# Altium PCB PATHOS_ControllerBoardExp.PcbDoc (part 4 of 4)
Units mm, origin at the board's own origin, x right, y up, seen from the top; angles counter-clockwise.
Board outline 165 x 96 mm, 4 copper layers (Top Layer, Mid-Layer 1, Mid-Layer 2, Bottom Layer), stack 1.642 mm thick; 300 components, 336 nets, 1573 pads, 768 vias.
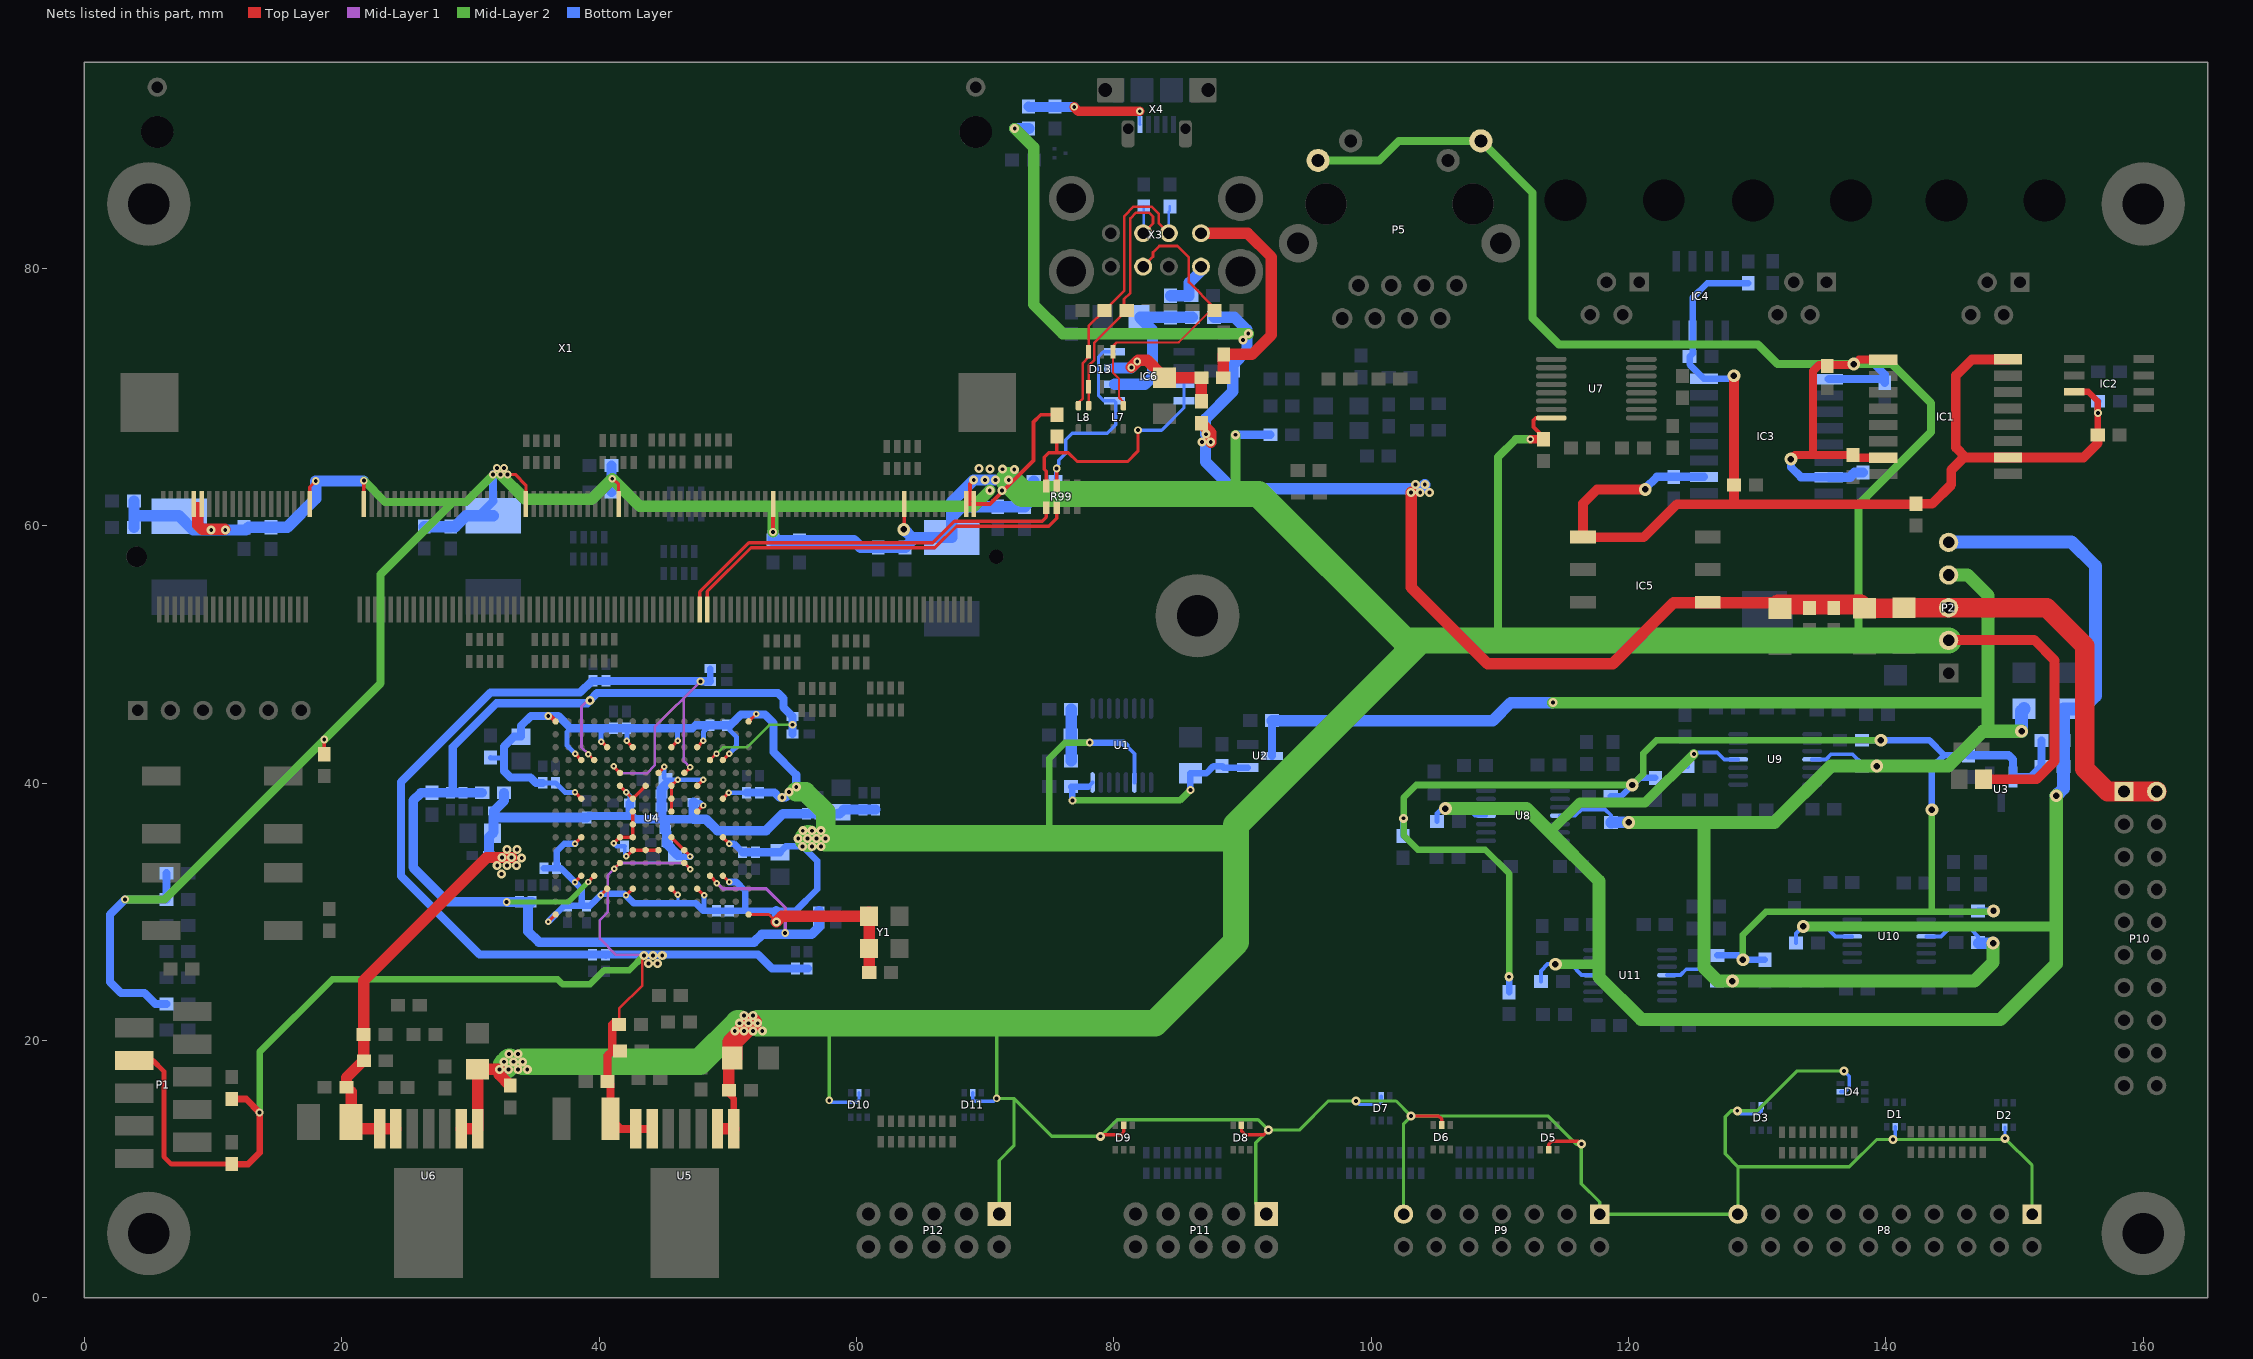
[diagram p6: the nets of this part, all layers, seen from the top]

## Via types
v1: diameter 0.7, hole 0.3, Top Layer to Bottom Layer, 397 vias
v2: diameter 0.6, hole 0.3, Top Layer to Bottom Layer, 248 vias
v3: diameter 0.5, hole 0.2, Top Layer to Bottom Layer, 95 vias
v4: diameter 1, hole 0.5, Top Layer to Bottom Layer, 28 vias

## Nets (pads, with @x,y where several pads share a name; then routed paths per layer and width w, separated by ;. In a path a pad name is that pad's centre, name@x,y a point inside that pad or via, vN(x,y) a via of type N, cw(c..) or ccw(c..) an arc to the next point about the centre after c; other vN are vias at no path point) (continued)
USB_D1_P: D13.4 L7.3 R101.2 X3.U3 | length 23.8
  Top Layer w0.178: L7.3@80.74,69.328 80.74,69.627 80.398,69.97 80.398,71.424 79.942,71.879 79.942,73.968 80.206,74.232 84.994,74.232 85.02,74.258 85.048,74.258 87.524,76.733 R101.2@87.835,76.733
  Top Layer w0.203: X3.U3@82.276,80.13 83.047,80.901 83.047,81.241 83.543,81.737 84.949,81.737 85.827,80.86 85.827,78.918 87.835,76.909 R101.2@87.835,76.733
  Bottom Layer w0.203: X3.U3@82.855,80.04 X3.U3@82.855,80.13
USB_D2_N: D13.6 L8.4 R102.2 R105.2 X3.L2 | length 23.5
  Top Layer w0.203: L8.4@77.248,69.328 77.248,69.559 77.587,69.898 77.587,72.635 78.044,73.092 D13.6@78.044,73.511 78.044,75.506 R102.2@79.272,76.733 80.823,78.285 80.823,84.06 81.548,84.785 82.932,84.785 83.504,84.213 83.504,83.501 X3.L2@84.276,82.73
  Bottom Layer w0.203: X3.L2@84.123,82.73 X3.L2@84.276,82.73 84.276,84.403 84.353,84.48 R105.2@84.353,84.811
USB_D2_P: D13.1 L8.3 R103.2 R104.2 X3.L3 | length 22.1
  Top Layer w0.203: L8.3@78.048,69.328 78.048,70.808 D13.1@78.044,70.811 78.044,72.445 78.485,72.886 78.485,74.216 R103.2@81.002,76.733 80.79,76.945 80.79,77.606 81.28,78.095 81.28,83.871 81.737,84.328 82.742,84.328 83.047,84.023 83.047,83.501 X3.L3@82.276,82.73
  Bottom Layer w0.203: R104.2@82.321,84.811 82.321,82.776 X3.L3@82.276,82.73 X3.L3@82.501,82.73
USB_OC#: IC6.5 IC6.8 R94.1 R99.2B | length 17
  Top Layer w0.254: R99.2B@75.554,63.095 v2(75.554,64.443)
  Bottom Layer w0.254: R94.1@75.476,63.439 75.476,64.517 75.727,64.767 75.727,65.084 76.269,65.626 76.269,66.686 76.767,67.184 79.506,67.184 80.157,67.835 80.157,69.607 IC6.5@80.052,69.712 79.212,69.712 78.804,70.12 78.804,70.42 78.809,70.425 78.809,73.142 79.19,73.522 IC6.8@80.052,73.522
USB_OC_S#: R99.1B X1.131 | length 31.7
  Top Layer w0.254: X1.131@48.414,53.482 48.414,54.891 51.803,58.28 66.095,58.28 67.773,59.958 74.934,59.958 75.554,60.578 R99.1B@75.554,61.395
USB_P_EN#: IC6.3 IC6.4 R93.1 R99.2A | length 19.4
  Top Layer w0.254: R99.2A@74.754,63.095 74.754,64.225 74.594,64.385 74.594,65.33 74.926,65.662 75.547,65.662 ; R93.1@75.57,66.92 75.57,65.685 75.547,65.662 ; v2(81.874,67.422) 81.874,65.772 81.09,64.987 77.145,64.987 76.47,65.662 75.547,65.662
  Bottom Layer w0.254: v2(81.874,67.422) 83.71,67.422 85.452,69.164 IC6.4@85.452,69.712 IC6.3@85.452,70.982
USB_P_EN_S: R99.1A X1.129 | length 31.4
  Top Layer w0.254: X1.129@47.814,53.482 47.814,54.85 51.371,58.407 51.374,58.407 51.64,58.674 65.932,58.674 67.609,60.351 74.436,60.351 74.754,60.669 R99.1A@74.754,61.395
V1.2: C11.2 C12.2 C13.2 C14.2 C15.2 C16.2 C17.2 C18.2 C19.2 C20.2 C21.2 C22.2 C23.2 C24.2 C25.2 C26.2 C27.2 C28.2 C77.1 C81.1 C82.2 L1.1 R18.2 U4.F7 U4.F11 U4.G6 U4.G7 U4.G8 U4.G9 U4.G10 U4.H6 U4.H11 U4.J6 U4.J12 U4.K7 U4.K9 U4.K10 U4.K11 U4.L6 U4.M9 U4.M11 U6.6 U6.7 | length 102.3
  Top Layer w0.254: C82.2@20.369,16.358 C82.2@20.725,16.001 ; C81.1@20.725,13.665 C81.1@21.269,13.122 ; v3(41.148,35.306) 41.148,35.315 U4.F7@41.62,35.787 U4.G7@42.62,35.787 U4.G8@42.62,36.787 U4.G9@42.62,37.787 ; U4.F11@41.62,39.787 v3(42.113,39.294) U4.G10@42.62,38.787 U4.H11@43.62,39.787 ; v3(42.113,34.315) 42.148,34.315 U4.G6@42.62,34.787 U4.H6@43.62,34.787 U4.J6@44.62,34.787 ; U4.J12@44.62,40.787 45.06,41.227 v3(45.06,41.25) ; U4.K7@45.62,35.787 U4.L6@46.62,34.787 47.117,34.29 v3(47.066,34.29) ; U4.K9@45.62,37.787 U4.K10@45.62,38.787 U4.K11@45.62,39.787 46.092,40.259 v3(46.101,40.259) ; U4.M9@47.62,37.787 48.108,38.275 v3(48.108,38.252) ; U4.M11@47.62,39.787 48.092,40.259 v3(48.108,40.259)
  Top Layer w0.889: C82.2@20.369,16.358 20.369,17.114 21.693,18.439 R18.2@21.693,20.472 21.693,24.64 31.267,34.214 v1(33.198,34.214) ; C81.1@20.725,13.665 C82.2@20.725,16.001 ; C81.1@21.269,13.122 U6.7@22.936,13.122 U6.6@24.206,13.122
  Bottom Layer w0.254: C21.2@41.986,35.088 41.986,34.442 v3(42.113,34.315) ; C19.2@45.06,40.384 C19.2@45.159,40.284 ; C19.2@45.159,39.851 C19.2@45.159,40.284 ; C19.2@45.185,40.259 C19.2@45.159,40.284 ; C20.2@46.023,34.495 46.023,34.163 C20.2@46.15,34.29
  Bottom Layer w0.381: v3(41.148,35.306) 41.366,35.088 C21.2@41.986,35.088 ; v3(42.113,39.294) 42.382,39.025 C26.2@42.382,38.456 ; 42.382,37.628 42.57,37.44 ; C19.2@45.06,40.384 v3(45.06,41.25) ; C19.2@45.185,40.259 v3(46.101,40.259) v3(48.108,40.259) ; 47.32,37.186 47.335,37.201 ; C27.2@47.335,38.506 47.854,38.506 v3(48.108,38.252)
  Bottom Layer w0.508: C20.2@46.15,34.29 v3(47.066,34.29)
  Bottom Layer w0.635: C25.2@39.04,37.323 39.156,37.44 42.57,37.44 42.824,37.186 45.034,37.186 47.32,37.186 47.346,37.186 ; 42.382,37.628 C26.2@42.382,38.456
  Bottom Layer w0.762: C13.2@31.435,34.366 31.435,35.809 C11.2@31.72,36.093 C11.2@31.77,36.144 ; C11.2@31.77,36.093 C11.2@31.77,36.144 ; L1.1@32.614,39.243 32.614,38.618 C24.2@31.816,37.821 31.816,37.323 ; C25.2@39.04,37.323 31.816,37.323 ; C19.2@45.159,39.851 44.846,39.537 C28.2@44.846,39.141 C15.2@44.846,38.151 44.846,37.374 45.034,37.186 45.125,37.094 45.125,36.297 45.263,36.159 45.263,35.255 C20.2@46.023,34.495 ; 47.335,37.201 C27.2@47.335,38.506 ; 47.346,37.186 48.313,37.186 49.202,36.297 52.959,36.297 54.28,37.617 58.694,37.617 C12.2@58.801,37.724 59.01,37.933 C14.2@60.503,37.933 C23.2@61.493,37.933 ; C11.2@31.77,36.144 31.77,37.313 31.781,37.323 31.816,37.323 ; C11.2@31.77,36.144 31.816,36.19 31.816,37.323
  other v1: 32.41,32.918 32.08,33.579 32.842,33.579 33.579,33.579 33.985,34.188 32.461,34.214 33.63,34.823 32.842,34.849
V1.2_PLL: C51.2 C52.2 C53.2 C54.2 C55.2 C56.2 C57.2 C58.2 C59.2 L1.2 U4.D4 U4.D13 U4.N4 U4.N13 | length 114.7
  Top Layer w0.203: v3(39.167,42.24) U4.D13@39.62,41.787 ; U4.N13@48.62,41.787 49.098,42.266 v3(49.124,42.266)
  Top Layer w0.254: v3(39.167,32.309) 39.167,32.334 U4.D4@39.62,32.787 ; U4.N4@48.62,32.787 49.151,32.256 49.145,32.25 v3(49.145,32.217)
  Mid-Layer 1 w0.203: v3(39.167,42.24) 38.633,42.774 38.633,45.949 39.091,46.406 v1(39.294,46.406)
  Mid-Layer 1 w0.254: v3(49.145,32.217) 49.165,32.217 49.598,31.784 53.001,31.784 54.458,30.328 v2(54.458,28.346)
  Mid-Layer 2 w0.203: v3(49.124,42.266) 49.632,42.774 51.486,42.774 53.238,44.526 v2(55.027,44.526)
  Mid-Layer 2 w0.381: v2(32.817,30.759) 37.617,30.759 v3(39.167,32.309)
  Bottom Layer w0.203: C51.2@27,39.241 C51.2@27.002,39.243
  Bottom Layer w0.508: C53.2@33.807,30.77 C57.2@34.798,30.77
  Bottom Layer w0.635: C52.2@29.439,39.233 28.814,39.233 28.626,39.421 28.626,42.799 32.025,46.199 39.087,46.199 39.349,46.461 39.349,46.491 39.849,46.99 53.908,46.99 54.327,46.572 54.327,45.887 C58.2@55.027,45.187 v2(55.027,44.526) C54.2@55.027,43.815
  Bottom Layer w0.762: C51.2@27,39.241 26.16,39.241 25.552,38.633 25.552,33.452 28.234,30.77 C53.2@33.807,30.77 ; C51.2@27.002,39.243 L1.2@30.914,39.243 ; v2(32.817,30.759) 34.788,30.759 C57.2@34.798,30.77 34.475,30.446 34.475,28.474 35.313,27.635 52.033,27.635 52.643,28.245 56.515,28.245 57.084,28.814 C55.2@57.084,30.073
V2.5: C47.2 C48.2 C49.2 C50.2 C60.2 C61.2 C62.2 C63.2 C71.1 C75.1 C76.2 P1.4 R9.2 R10.2 R14.2 U4.F5 U4.F12 U4.L5 U4.L12 U5.6 U5.7 | length 185.3
  Top Layer w0.203: v3(41.173,33.325) 41.173,33.341 U4.F5@41.62,33.787 ; R14.2@41.326,21.459 R14.2@41.557,21.228 41.557,22.482 43.358,24.282 43.358,26.467 v1(43.485,26.594) ; U4.L5@46.62,33.787 47.092,33.315 v3(47.092,33.299)
  Top Layer w0.254: v3(41.148,41.3) 41.148,41.259 41.224,41.183 U4.F12@41.62,40.787 ; U4.L12@46.62,40.787 46.655,40.787 47.066,41.199 v3(47.066,41.224)
  Top Layer w0.381: P1.4@3.882,18.44 5.334,18.44 6.172,17.602 6.172,10.973 6.755,10.39 R10.2@11.455,10.39
  Top Layer w0.508: R10.2@11.455,10.39 12.727,10.39 13.614,11.278 v2(13.614,14.402) 12.571,15.445 R9.2@11.455,15.445
  Top Layer w0.635: R14.2@41.226,21.438 41.021,21.233 41.021,19.177 40.664,18.82 C76.2@40.664,16.815 40.889,16.589 C75.1@40.889,13.894 41.661,13.122 U5.7@42.85,13.122 U5.6@44.12,13.122
  Mid-Layer 1 w0.203: v3(41.148,41.3) 41.123,41.3 41.665,40.758 43.705,40.758 44.323,41.377 44.323,44.348 v2(47.879,47.904) ; v1(43.485,26.594) 43.434,26.645 41.326,26.645 40.058,27.913 40.058,29.345 40.657,29.944 40.657,32.808 v3(41.173,33.325) 41.639,33.791 46.6,33.791 v3(47.092,33.299) ; 46.592,46.609 46.592,41.698 v3(47.066,41.224)
  Mid-Layer 2 w0.508: v2(13.614,14.402) 13.614,19.101 19.253,24.74 36.779,24.74 37.16,24.359 39.294,24.359 40.386,25.451 42.342,25.451 v1(43.485,26.594)
  Bottom Layer w0.508: C62.2@48.626,47.904 C49.2@48.626,48.894
  Bottom Layer w0.635: C60.2@40.512,26.66 C60.2@40.523,26.67 ; C62.2@48.626,47.904 48.006,47.904 47.97,47.94 C48.2@40.538,47.94 C61.2@39.523,47.94 39.431,47.94 38.515,47.024 31.551,47.024 24.613,40.085 24.613,32.766 30.709,26.67 C60.2@40.523,26.67 ; C63.2@56.236,25.588 C50.2@55.27,25.588 53.431,25.588 52.349,26.67 C60.2@40.523,26.67
  other v1: 43.84,25.984 44.552,25.984 44.196,26.594 44.907,26.594
V2.5_REF: C4.1 C6.1 C7.1 U1.8 U2.1 | length 18.4
  Mid-Layer 2 w0.508: v2(76.782,38.652) 85.139,38.652 v2(85.952,39.465)
  Bottom Layer w0.305: 78.017,39.719 U1.8@78.343,40.044
  Bottom Layer w0.508: v2(76.782,38.652) 76.782,39.617 C4.1@76.681,39.719 78.017,39.719 ; v2(85.952,39.465) C7.1@85.952,40.76 87.196,40.76 87.755,41.319 C6.1@88.416,41.319 88.528,41.206 U2.1@90.412,41.206
V3.3: C1.1 C2.1 C3.1 C10.2 C29.2 C30.2 C31.2 C32.2 C33.2 C34.2 C35.2 C36.2 C37.2 C38.2 C39.2 C40.2 C41.2 C42.2 C43.2 C44.2 C45.2 C46.2 C68.1 C72.2 C73.2 C78.2 C79.2 C85.2 C88.2 C96.1 C97.1 C98.1 C99.2 C100.2 C101.2 C102.2 C103.2 C104.2 C105.2 C106.2 C107.2 C108.2 C109.2 C110.2 C111.2 C112.2 C114.2 D1.5 D2.5 D3.5 D4.5 D5.5 D6.5 D7.5 D8.5 D9.5 D10.5 D11.5 IC1.1 IC1.7 IC3.1 IC3.7 L3.1 LED1.2 P2.2 P5.9 P5.12 P8.1 P8.19 P9.1 P9.13 P11.1 P12.1 R2.2 R3.2 R4.2 R21.2 R22.2 R27.2 R30.2 R93.2 R94.2 U1.3 U4.A1 U4.A16 U4.C4 U4.C7 U4.C10 U4.C13 U4.E3 U4.E14 U4.G3 U4.G14 U4.K3 U4.K14 U4.M3 U4.M14 U4.P4 U4.P7 U4.P10 U4.P13 U4.T1 U4.T16 U5.1 U5.2 U6.1 U6.2 U7.16 X1.10 X1.12 X1.40 X1.42 X1.84 X1.108 X1.148 X1.182 X1.198 X1.200 Y1.1 Y1.4 | length 933.8
  Top Layer w0.203: U4.T1@51.62,29.787 53.195,29.787 v1(53.772,29.21)
  Top Layer w0.254: X1.40@17.514,61.682 17.514,63.006 v2(17.983,63.475) ; R21.2@18.644,42.238 v2(18.644,43.383) ; X1.42@21.714,61.682 21.714,63.497 v2(21.717,63.5) ; v2(31.75,63.983) v2(32.334,63.983) v2(32.893,63.983) 33.477,63.983 34.314,63.146 X1.84@34.314,61.682 ; v3@36.055,29.223 U4.A1@36.62,29.787 ; v3@38.1,35.267 U4.C7@38.62,35.787 ; v3(38.125,39.268) 38.139,39.268 U4.C10@38.62,38.787 ; v3(38.151,42.266) 38.141,42.266 U4.C13@38.62,41.787 ; v3@38.191,32.358 U4.C4@38.62,32.787 ; v3@40.125,31.293 U4.E3@40.62,31.787 ; v3@40.132,43.275 U4.E14@40.62,42.787 ; v2(41.021,63.652) 41.072,63.652 41.514,63.21 X1.108@41.514,61.682 ; v3(42.088,31.267) 42.1,31.267 U4.G3@42.62,31.787 ; v3@42.164,43.243 U4.G14@42.62,42.787 ; U4.K3@45.62,31.787 46.089,31.318 v3(46.126,31.318) ; U4.K14@45.62,42.787 v3@46.114,43.282 ; U4.M3@47.62,31.787 48.14,31.267 v3(48.158,31.267) ; U4.M14@47.62,42.787 v3@48.108,43.275 ; U4.P4@49.62,32.787 50.098,32.309 v3(50.114,32.309) ; U4.P7@49.62,35.787 v3@50.114,35.293 ; U4.P10@49.62,38.787 50.089,39.256 v3(50.089,39.243) ; U4.P13@49.62,41.787 v3(50.114,42.282) ; C73.2@50.091,15.85 C73.2@50.091,16.129 ; C72.2@50.091,18.372 C72.2@50.362,18.644 ; U4.T16@51.62,44.787 v3(52.197,45.364) ; v1(78.969,12.548) 79.096,12.675 80.569,12.675 80.772,12.878 D9.5@80.772,13.396 ; D8.5@89.916,13.396 89.916,12.979 90.233,12.662 91.656,12.662 v1(92.024,13.03) ; v1(103.099,14.122) 105.258,14.122 105.486,13.894 D6.5@105.486,13.421 ; D5.5@113.792,11.496 113.792,11.913 114.046,12.167 116.103,12.167 v1(116.332,11.938)
  Top Layer w0.305: X1.10@8.514,61.682 8.814,61.382 ; v2(53.515,59.515) X1.148@53.514,61.682 ; v4@63.714,59.752 X1.182@63.714,61.682 ; v1(69.113,63.551) 68.809,63.246 68.809,61.976 X1.198@68.514,61.682 X1.200@69.114,61.682 70.375,61.682 73.754,65.06 73.754,68.05 74.323,68.62 R93.2@75.57,68.62 ; C114.2@113.404,66.714 113.404,66.894 112.616,67.682 112.616,68.184 112.81,68.378 U7.16@113.994,68.378
  Top Layer w0.381: v2(36.043,45.212) 36.195,45.212 U4.A16@36.62,44.787
  Top Layer w0.508: C73.2@50.091,15.85 50.47,15.47 U5.1@50.47,13.122
  Top Layer w0.635: v2(112.37,66.714) C114.2@113.404,66.714 ; v4(132.613,65.176) 132.933,65.496 134.344,65.496 ; v4@137.494,72.483 134.804,72.483 134.344,72.022 134.344,65.496 ; 137.915,72.904 IC1.1@139.785,72.904 ; IC1.7@139.785,65.284 137.668,65.284 C85.2@137.456,65.496 134.344,65.496
  Top Layer w0.762: P2.2@144.873,51.085 144.909,51.12 151.531,51.12 153.112,49.539 153.112,41.693 151.708,40.289 LED1.2@147.59,40.289
  Top Layer w0.889: 8.814,61.382 8.814,60.046 9.144,59.715 v1@10.897,59.715 ; U6.2@29.286,13.122 U6.1@30.556,13.122 C78.2@30.556,17.749 v1@32.239,17.749 ; 32.239,17.34 C79.2@33.096,16.483 ; U5.2@49.2,13.122 U5.1@50.47,13.122 ; C73.2@50.091,16.129 C72.2@50.091,18.372 ; v1(53.772,29.21) 54.2,29.638 Y1.4@60.96,29.638 ; C10.2@60.987,25.629 Y1.4@60.987,29.956
  Top Layer w1.524: C72.2@50.362,18.644 50.362,19.864 v1@51.885,21.387
  Mid-Layer 2 w0.254: v2(57.887,15.342) 57.887,21.158 ; 71.018,21.336 70.891,21.209 v2(70.891,15.494) 72.238,15.494 ; P12.1@71.095,6.5 71.095,10.668 72.238,11.811 72.238,15.494 ; P11.1@91.846,6.5 91.034,7.313 91.034,12.04 v1(92.024,13.03) ; P9.13@102.514,6.5 102.514,13.538 v1(103.099,14.122) ; v1(136.754,17.628) 133.096,17.628 129.997,14.529 v1(128.448,14.529) 127.965,14.529 127.508,14.072 127.508,11.176 128.499,10.185 ; P8.1@151.359,6.5 151.359,10.287 v1(149.25,12.395) 149.149,12.294 v1(140.538,12.294) 139.268,12.294 137.16,10.185 128.499,10.185 ; 72.238,15.494 75.184,12.548 v1(78.969,12.548) 80.264,13.843 91.211,13.843 v1(92.024,13.03) ; v1(92.024,13.03) 94.412,13.03 96.672,15.291 v1(98.831,15.291) 101.93,15.291 v1(103.099,14.122) ; v1(103.099,14.122) 113.767,14.122 115.951,11.938 v1(116.332,11.938) 116.332,8.865 117.754,7.442 P9.1@117.754,6.5 P8.19@128.499,6.5 128.499,10.185
  Mid-Layer 2 w0.508: 74.981,35.738 74.981,41.91 76.218,43.148 v2(78.129,43.148)
  Mid-Layer 2 w0.635: v2(3.15,30.963) 6.223,30.963 v2(18.644,43.383) 23.012,47.752 23.012,56.21 28.651,61.849 ; v2(21.717,63.5) 23.368,61.849 28.651,61.849 ; v2(31.75,63.983) 31.75,63.932 29.667,61.849 28.651,61.849 ; P5.12@95.869,88.382 100.624,88.382 102.144,89.902 P5.9@108.519,89.902 112.547,85.874 112.547,76.124 114.579,74.092 130.048,74.092 131.583,72.557 v4(137.496,72.557) 140.473,72.557 143.51,69.52 143.51,67.285 137.871,61.646 137.871,51.339 ; 109.855,51.136 109.855,65.329 111.24,66.714 v2(112.37,66.714)
  Mid-Layer 2 w0.762: 89.45,62.459 v1(89.45,67.065)
  Mid-Layer 2 w0.889: v2(32.334,63.983) 34.265,62.052 39.421,62.052 v2(41.021,63.652) 43.155,61.519 69.139,61.519 v1(70.358,62.738) ; v2(53.515,59.515) 53.515,61.519
  Mid-Layer 2 w1.524: 55.321,39.319 56.058,39.319 57.607,37.77 v1(57.607,35.687)
  Mid-Layer 2 w2.032: v1@32.715,18.009 v1@33.045,18.339 ; v1(34.061,18.339) 47.803,18.339 50.8,21.336 v1(50.902,21.336) ; v1(52.324,21.336) 71.018,21.336 83.196,21.336 89.504,27.644 89.504,36.748 103.841,51.085 102.61,51.085 91.237,62.459 89.45,62.459 ; v1@56.216,35.656 v1@56.272,35.712 ; v1@57.607,35.712 89.484,35.712 ; v1(71.831,63.551) 72.923,62.459 89.281,62.459 ; 103.892,51.085 P2.2@144.873,51.085
  Bottom Layer w0.254: C108.2@28.47,59.931 C108.2@28.816,59.931 ; C32.2@42.113,44.257 C32.2@42.164,44.206 ; 46.126,30.672 v3(46.126,31.318) ; 48.108,30.063 48.133,30.089 ; C35.2@51.156,34.61 C35.2@51.161,34.615 ; C42.2@51.451,39.243 C42.2@51.461,39.253 ; v2(57.887,15.342) 58.039,15.189 59.969,15.189 60.198,15.418 D10.5@60.198,15.936 ; D11.5@69.037,15.936 69.037,15.443 69.215,15.265 70.663,15.265 v2(70.891,15.494) ; v1(98.831,15.291) 99.111,15.011 100.609,15.011 100.787,15.189 D7.5@100.787,15.682 ; v1(128.448,14.529) 128.687,14.29 130.139,14.29 130.302,14.453 D3.5@130.302,14.92 ; D4.5@136.464,16.002 136.83,16.002 137.16,16.332 137.16,17.221 v1(136.754,17.628) ; v1(140.538,12.294) 140.716,12.471 D1.5@140.716,13.299 ; v1(149.25,12.395) D2.5@149.25,13.249
  Bottom Layer w0.305: 80.948,42.919 81.593,42.274 U1.3@81.593,40.044
  Bottom Layer w0.381: R22.2@31.547,41.988 31.574,41.961 32.614,41.961 ; C39.2@35.621,40.015 C31.2@36.61,40.015 37.357,39.268 v3(38.125,39.268) ; 37.785,44.257 37.516,43.988 37.516,42.901 v3(38.151,42.266) ; 40.107,44.257 40.31,44.054 40.157,43.902 v3(40.157,43.205) ; v3(42.164,43.282) 42.164,44.003 42.266,44.105 C32.2@42.164,44.206 ; v3(46.101,43.282) 46.101,44.232 46.126,44.257 ; v3(48.098,43.275) 48.098,43.968 C41.2@48.616,44.486 ; 48.133,30.089 48.158,30.114 v3(48.158,31.267) ; v3(50.089,39.243) C42.2@51.451,39.243 ; v3(50.114,42.282) 50.669,42.836 50.669,43.59 50.165,44.094 C33.2@50.165,44.486
  Bottom Layer w0.508: C38.2@35.712,33.391 C46.2@36.703,33.391 ; v3(36.043,29.235) 36.062,29.235 37.297,30.47 38.659,30.47 ; v3(38.125,35.281) 37.287,35.281 36.703,34.696 C46.2@36.703,33.391 ; C45.2@39.034,30.457 39.296,30.457 v3(40.132,31.293) 40.225,31.385 41.97,31.385 v3(42.088,31.267) 42.709,30.646 47.525,30.646 48.108,30.063 C36.2@49.124,30.063 C44.2@50.113,30.063 51.359,30.063 ; C45.2@39.034,30.47 38.659,30.47 ; v3(50.109,35.293) 50.473,35.293 C35.2@51.156,34.61 ; v3(50.114,32.309) 50.673,32.309 51.359,31.623 51.359,30.063 ; C29.2@54.051,34.615 54.51,35.074 v1(55.818,35.074) 56.947,33.946 56.947,31.75 55.26,30.063 53.772,30.063 51.359,30.063 ; 76.681,43.122 78.103,43.122 v2(78.129,43.148) 80.719,43.148 80.948,42.919 ; C46.2@36.703,33.391 37.018,33.391 v3(38.125,32.283) 38.659,31.75 38.659,30.47
  Bottom Layer w0.635: R3.2@6.377,22.835 5.512,22.835 4.674,23.673 2.845,23.673 1.981,24.536 1.981,29.794 v2(3.15,30.963) R4.2@6.377,30.963 R2.2@6.377,32.995 ; C97.1@30.757,60.873 31.801,61.917 31.75,61.968 v2(31.75,63.983) ; C39.2@35.621,40.015 35.092,40.015 34.671,40.437 33.098,40.437 32.614,40.921 32.614,41.961 32.614,42.85 33.371,43.607 C30.2@33.934,43.607 33.934,44.45 34.696,45.212 v2(36.043,45.212) 36.83,45.212 37.785,44.257 40.107,44.257 C40.2@41.123,44.257 C32.2@42.113,44.257 46.126,44.257 47.254,44.257 47.483,44.486 C41.2@48.616,44.486 50.165,44.486 51.018,45.339 52.883,45.339 53.543,44.679 53.543,42.418 55.321,40.64 v1(55.321,39.7) 54.508,38.887 v1(54.229,38.887) 54,38.887 53.634,39.253 C34.2@52.451,39.253 C42.2@51.461,39.253 ; C35.2@51.161,34.615 C29.2@54.051,34.615 ; v1(89.45,67.065) L3.1@92.17,67.065 ; v4(132.613,65.176) 132.613,64.541 133.385,63.77 IC3.7@135.563,63.77 ; IC3.1@135.563,71.39 139.629,71.39 R30.2@139.909,71.11 139.909,71.743 139.094,72.557 v4(137.496,72.557)
  Bottom Layer w0.762: C102.2@40.966,62.626 C109.2@40.966,64.683 ; v1(53.772,29.21) 53.772,30.063 ; IC3.7@135.563,63.77 137.197,63.77 137.552,64.125 C88.2@138.229,64.125
  Bottom Layer w0.889: C106.2@3.857,59.857 3.857,60.757 ; C99.2@3.857,61.914 3.857,60.757 ; v2@21.692,63.475 v2(17.983,63.475) 17.983,62.103 15.761,59.881 12.773,59.881 12.557,59.665 v1(10.947,59.665) 8.445,59.665 C96.1@7.364,60.746 7.353,60.757 3.857,60.757 ; C101.2@26.414,59.931 C108.2@28.47,59.931 ; C108.2@28.816,59.931 29.656,60.771 C97.1@31.773,60.771 ; v2(53.515,59.515) C110.2@53.515,58.839 C103.2@55.573,58.839 59.804,58.839 60.338,58.306 C104.2@61.693,58.306 C111.2@63.777,58.306 64.552,59.08 ; v4(63.678,59.715) 64.313,59.08 64.552,59.08 ; 67.562,60.856 68.173,61.467 C105.2@70.979,61.467 C112.2@73.063,61.467 73.776,62.181 R94.2@73.776,63.439 ; v1(70.815,63.551) v1(70.002,63.551) v1(69.113,63.551) 67.412,61.849 C98.1@67.412,59.08 64.552,59.08 ; C2.1@76.681,41.725 76.681,43.122 C3.1@76.681,45.738
  Bottom Layer w1.524: C68.1@140.742,51.181 P2.2@144.778,51.181
  other v1: 32.258,17.729 32.969,17.729 33.706,17.729 34.417,17.729 32.614,18.339 33.35,18.339 32.995,18.948 33.706,18.948 50.546,20.726 51.257,20.726 51.968,20.726 52.68,20.726 51.613,21.336 51.257,21.946 51.968,21.946 56.54,35.077 57.252,35.077 55.474,35.687 56.185,35.687 56.896,35.687 55.829,36.297 56.54,36.297 57.252,36.297 54.762,39.294 9.855,59.665 71.298,62.738 72.263,64.364 71.349,64.389 70.383,64.414 69.52,64.44
  other v2: 32.055,64.491 32.614,64.491
V5.0: C64.1 C65.2 C66.2 C67.2 C89.2 IC5.3 P2.3 P10.1 P10.2 R92.2 R95.2 R96.2 R106.2 | length 147.9
  Top Layer w0.889: R95.2@86.789,67.952 87.528,67.213 v1(87.528,66.497) ; v1(103.099,62.586) 103.099,55.22 109.042,49.276 118.77,49.276 123.517,54.022 C89.2@131.469,54.022
  Top Layer w1.524: C89.2@131.617,53.874 138.037,53.874 C65.2@138.325,53.586 138.335,53.596 C64.1@141.404,53.596 ; C64.1@141.404,53.633 152.488,53.633 155.448,50.673 155.448,41.123 157.226,39.345 P10.1@158.5,39.345 P10.2@161.04,39.345
  Mid-Layer 2 w0.889: v1(72.298,90.865) 73.762,89.401 73.762,77.191 76.022,74.93 v1(90.449,74.93)
  Bottom Layer w0.889: v1(72.298,90.865) R106.2@73.379,90.865 ; v1@87.122,66.497 87.122,64.973 89.23,62.865 103.835,62.865 v1(104.165,63.195) ; v1@87.122,67.107 87.122,68.301 89.248,70.426 R92.2@89.248,72.032 89.248,72.509 90.348,73.609 90.348,75.209 89.369,76.188 R96.2@87.796,76.188
  other v1: 103.81,62.586 104.521,62.586 103.454,63.195 86.843,66.497 87.173,67.107 90.043,74.422
V12.0: C5.2 C69.2 C118.2 C119.2 C122.2 C123.2 P2.4 U2.3 U8.4 U9.4 U10.4 U11.4 | length 168.9
  Mid-Layer 2 w0.889: v1(114.122,46.253) 147.736,46.253 147.914,46.076
  Mid-Layer 2 w1.016: v4(120.018,36.939) 125.857,36.939 ; 141.92,41.323 144.847,41.323 147.547,44.023 v4(150.541,44.023) ; 142.002,41.319 v4(139.289,41.319) 135.722,41.319 131.341,36.939 125.857,36.939 ; P2.4@144.873,56.165 146.349,56.165 147.939,54.575 147.939,44.184 ; v4(148.329,27.565) 148.329,26.072 146.865,24.608 v4(128.074,24.608) 126.928,24.608 125.857,25.679 125.857,36.939
  Bottom Layer w0.305: U8.4@114.674,37.461 115.855,37.461 116.35,37.956 118.176,37.956 118.633,37.499 C118.2@118.633,36.935 C118.2@118.65,36.918 ; U11.4@122.998,25.075 124.026,25.075 124.483,25.532 126.468,25.532 126.877,25.123 C123.2@126.877,24.596 C123.2@126.889,24.608 ; U9.4@134.268,41.836 135.343,41.836 135.745,42.238 137.413,42.238 138.142,41.509 C119.2@138.142,41.305 ; U10.4@143.135,28.079 144.282,28.079 144.858,28.655 146.594,28.655 147.168,28.08 C122.2@147.168,27.607 C122.2@147.21,27.565
  Bottom Layer w0.635: U2.3@92.3,42.118 C5.2@92.3,44.849
  Bottom Layer w0.762: C119.2@138.157,41.319 v4(139.289,41.319)
  Bottom Layer w0.889: C5.2@92.3,44.849 109.442,44.849 110.846,46.253 v1(114.122,46.253) ; C118.2@118.65,36.918 118.671,36.939 v4(120.018,36.939) ; C123.2@126.889,24.608 v4(128.074,24.608) ; C122.2@147.21,27.565 v4(148.329,27.565)
  Bottom Layer w1.016: v4(150.541,44.023) 150.541,45.579 C69.2@150.736,45.775
V-1.25_REF: C8.1 C9.2 R1.2 R58.1 R59.1 R68.1 R69.1 R78.1 R79.1 R88.1 R89.1 U3.2 | length 125.1
  Mid-Layer 2 w0.508: v1(110.722,24.946) 110.722,32.966 108.864,34.823 103.632,34.823 102.514,35.941 v1(102.514,37.262) 102.514,38.862 103.501,39.849 v4(120.286,39.849) 121.154,40.717 121.154,42.312 122.163,43.321 v4(139.613,43.321) ; v4(128.881,26.271) 128.881,28.201 130.674,29.994 148.291,29.994 v4(148.361,30.064) ; 143.577,30.008 v4(143.577,37.922)
  Bottom Layer w0.508: R68.1@102.481,35.894 102.481,37.229 v1(102.514,37.262) ; R89.1@110.722,23.748 v1(110.722,24.946) ; R58.1@118.619,38.978 119.439,38.978 120.862,40.401 R69.1@122.09,40.401 ; R79.1@126.888,26.609 128.543,26.609 v4@128.879,26.273 ; v4@128.8,26.271 128.802,26.273 v4@128.879,26.273 ; v4(128.881,26.271) v4@128.879,26.273 ; R88.1@130.595,26.273 v4@128.879,26.273 ; R59.1@138.128,43.321 v4(139.613,43.321) 143.377,43.321 144.534,42.165 ; v4(143.577,37.922) 143.577,41.208 144.534,42.165 ; C8.1@146.427,42.165 144.534,42.165 ; R78.1@147.165,30.064 v4(148.361,30.064) ; U3.2@149.869,40.462 U3.2@149.875,40.468
  Bottom Layer w0.635: C8.1@146.427,42.165 149.536,42.165 149.869,41.831 U3.2@149.869,40.462 ; U3.2@149.875,40.468 151.273,40.468 152.091,41.286 R1.2@152.091,43.303
V-12.0: C9.1 C70.2 C120.1 C121.1 C124.1 C125.1 P2.5 R1.1 U8.11 U9.11 U10.11 U11.11 | length 163
  Mid-Layer 2 w0.305: 117.642,25.923 117.704,25.984
  Mid-Layer 2 w0.762: 113.906,36.182 116.205,38.481 121.291,38.481 v2(125.072,42.262) ; v4(114.309,25.923) 117.642,25.923 ; v4(133.572,28.86) 153.238,28.86
  Mid-Layer 2 w1.016: v4(105.764,38.014) 112.075,38.014 113.906,36.182 117.704,32.385 117.704,25.984 117.704,24.917 120.98,21.641 148.92,21.641 153.238,25.959 153.238,29.794 v4(153.238,39.014)
  Bottom Layer w0.305: v4@105.802,38.053 107.487,38.053 108.079,37.461 U8.11@108.924,37.461 ; C125.1@113.196,24.591 113.196,25.406 113.713,25.923 v4(114.309,25.923) 115.512,25.923 116.36,25.075 U11.11@117.248,25.075 ; v2@125.192,42.381 126.89,42.381 127.435,41.836 U9.11@128.518,41.836 ; C124.1@133.023,27.556 133.023,28.311 v4(133.572,28.86) 135.31,28.86 136.091,28.079 U10.11@137.385,28.079
  Bottom Layer w0.381: C120.1@105.117,37.007 105.117,37.62 v4@105.505,38.009 ; v4(105.764,38.014) v4@105.802,38.053 ; C121.1@124.589,41.267 124.589,41.778 v2(125.072,42.262) v2@125.192,42.381
  Bottom Layer w1.016: P2.5@144.873,58.74 154.415,58.74 156.291,56.863 156.291,46.78 155.28,45.769 C70.2@153.8,45.769 153.8,41.278 C9.1@153.803,41.275 153.803,39.579 v4(153.238,39.014)
VCC_ISO: C83.2 C84.2 C86.2 C87.2 C90.2 IC1.10 IC1.16 IC2.3 IC3.10 IC3.16 IC4.3 IC5.8 R25.2 R28.2 | length 98.2
  Top Layer w0.508: IC2.3@154.65,70.409 155.726,70.409 156.457,69.678 C86.2@156.457,67.047
  Top Layer w0.762: v4(121.297,62.82) 117.557,62.82 116.46,61.723 116.46,59.097 121.175,59.097 123.749,61.672 C84.2@142.44,61.672 ; 128.192,61.708 v4(128.192,71.656) ; C84.2@142.352,61.708 143.608,61.708 145.079,63.179 145.079,64.331 146.051,65.304 146.19,65.304 ; IC1.16@149.485,72.924 146.695,72.924 145.432,71.661 145.432,66.062 146.19,65.304 ; C86.2@156.457,67.047 156.457,66.401 155.359,65.304 IC1.10@149.485,65.304 146.19,65.304
  Bottom Layer w0.508: IC3.10@125.856,63.796 IC3.10@125.863,63.79 ; v4(128.192,71.656) 127.946,71.41 IC3.16@125.863,71.41 124.746,72.527 C83.2@124.746,73.134 124.975,73.364 IC4.3@124.975,75.136 124.975,77.702 126.116,78.842 R28.2@129.307,78.842 ; v2(156.48,68.76) 156.48,69.667 R25.2@156.482,69.669
  Bottom Layer w0.635: v4@121.275,62.875 122.196,63.796 C87.2@123.511,63.796 IC3.10@125.856,63.796
VCC_USB1: C128.2 L6.2 X3.U1 | length 4.1
  Bottom Layer w0.889: L6.2@84.404,77.871 C128.2@85.835,77.871 ; C128.2@85.84,77.877 85.84,78.863 86.776,79.798 X3.U1@86.776,80.13
VCC_USB2: C126.2 L5.2 X3.L1 | length 18.5
  Top Layer w0.889: X3.L1@86.776,82.73 90.393,82.73 92.246,80.877 92.246,74.822 90.735,73.311 C126.2@88.545,73.311 88.501,73.267 L5.2@88.501,71.492
VCC_USB_C: R97.2 R106.1 X4.1 | length 9.8
  Top Layer w0.762: v2(76.919,92.548) 77.265,92.202 v2(82.017,92.202)
  Bottom Layer w0.203: v2(82.017,92.202) 82.017,91.199 X4.1@82.037,91.178
  Bottom Layer w0.762: R106.1@73.379,92.565 73.396,92.548 v2(76.919,92.548)
VOUT1_USB: C129.1 IC6.6 L6.1 R96.1 | length 12.3
  Bottom Layer w0.889: IC6.6@80.052,70.982 82.419,70.982 83.006,71.569 83.006,75.193 82.039,76.161 82.066,76.188 R96.1@86.097,76.188
VOUT2_USB: C127.1 IC6.7 L5.1 R95.1 | length 10.6
  Top Layer w0.254: C127.1@83.787,71.507 C127.1@84.016,71.507
  Top Layer w0.889: v2(81.362,72.3) 81.362,72.316 81.906,72.861 82.597,72.861 83.707,71.751 83.922,71.751 84.016,71.657 C127.1@84.016,71.507 ; C127.1@83.787,71.507 83.802,71.492 L5.1@86.801,71.492 R95.1@86.801,69.664
  Bottom Layer w0.889: IC6.7@80.052,72.252 81.313,72.252 v2(81.818,72.757)
pads on no net: D7.1 D7.3 D7.4 D12.1 D13.5 IC1.6 IC1.11 IC1.14 IC2.5 IC3.6 IC3.11 IC3.14 IC4.5 IC5.5 IC5.10 IC5.12 IC5.14 P1.6 P1.7 P1.8 P3.1 P3.4 P3.MH1 P3.MH2 P4.1 P4.4 P4.MH1 P4.MH2 P5. P5.7 P6.2 P6.3 P6.6 P7.4 P7.MH1 P7.MH2 R45.1C R45.2C R51.1C R51.1D R51.2C R51.2D R99.1D R99.2D RN4.1 RN4.2 RN4.3 RN4.4 RN4.5 RN4.6 RN4.7 RN4.10 RN4.11 RN4.12 RN4.13 RN4.14 RN4.15 RN4.16 U3.3 U4.A7 U4.A10 U4.A11 U4.A12 U4.A13 U4.B6 U4.B7 U4.B10 U4.B11 U4.B12 U4.B13 U4.C3 U4.C6 U4.C8 U4.C9 U4.C11 U4.D3 U4.D5 U4.D6 U4.D8 U4.D9 U4.D11 U4.D12 U4.E6 U4.E7 U4.E8 U4.E9 U4.E10 U4.E11 U4.F3 U4.F8 U4.F9 U4.G5 U4.J1 U4.J2 U4.K5 U4.L3 U4.L4 U4.M10 U4.N8 U4.N9 U4.P8 U4.R1 U7.11 U7.12 U7.13 U7.14 X1. X1.1 X1.2 X1.3 X1.4 X1.5 X1.6 X1.7 X1.8 X1.13 X1.14 X1.15 X1.16 X1.17 X1.18 X1.19 X1.20 X1.21 X1.22 X1.23 X1.24 X1.25 X1.27 X1.28 X1.29 X1.30 X1.31 X1.32 X1.34 X1.37 X1.43 X1.44 X1.45 X1.46 X1.47 X1.48 X1.49 X1.50 X1.51 X1.52 X1.53 X1.54 X1.56 X1.57 X1.58 X1.59 X1.60 X1.61 X1.62 X1.64 X1.66 X1.67 X1.68 X1.70 X1.71 X1.72 X1.74 X1.75 X1.76 X1.77 X1.78 X1.79 X1.80 X1.82 X1.85 X1.96 X1.97 X1.98 X1.100 X1.101 X1.102 X1.103 X1.104 X1.106 X1.127 X1.133 X1.134 X1.135 X1.136 X1.138 X1.140 X1.142 X1.144 X1.146 X1.150 X1.152 X1.154 X1.156 X1.158 X1.160 X1.162 X1.164 X1.166 X1.168 X1.170 X1.172 X1.174 X1.176 X1.180 X1.184 X1.186 X1.190 X1.192 X1.194 X1.196 X4. X4.4

## Polygon pours and split planes (outlines as drawn)
CAN_GND on Bottom Layer "CAN_GND" (solid, pour order 39): 132.639,54.204 134.137,54.204 138.76,49.581 145.39,49.581 145.669,49.301 145.669,47.396 145.542,47.269 137.16,47.269 132.639,51.791
DGND on Bottom Layer "DGND" (solid, pour order 37): 128.829,54.762 128.829,56.693 130.302,58.166 130.632,58.496 132.232,58.496 134.468,60.731 134.468,62.814 138.532,62.814 138.557,62.789 138.557,61.824 134.493,57.76 134.493,55.956 133.375,54.839 133.299,54.762 131.089,54.762
DGND on Bottom Layer "SOM_DGND_BottomRight" (solid, pour order 40): 53.035,57.683 59.436,57.683 59.944,57.175 64.465,57.175 65.329,56.312 65.583,56.058 69.647,56.058 70.739,56.058 71.755,57.074 71.755,58.369 71.323,58.801 70.841,58.801 70.434,59.207 70.434,60.173 70.51,60.249 73.533,60.249 74.574,59.207 74.574,52.578 73.406,51.41 65.253,51.41 63.348,53.315 63.348,54.051 62.027,55.372 57.683,55.372 55.093,55.372 54.534,54.813 53.645,54.813 53.086,55.372 53.035,55.423
DGND on Bottom Layer "SOM_DGND_BottomLeft" (solid, pour order 38): 2.718,62.408 2.718,56.667 3.531,55.855 7.239,55.855 10.033,58.649 10.109,58.725 12.497,58.725 15.469,58.725 16.993,57.201 17.628,56.566 20.549,56.566 21.539,56.566 22.149,55.956 22.25,55.855 22.25,55.042 21.768,54.559 21.692,54.559 10.973,54.559 9.5,53.086 2.87,53.086 1.727,54.229 1.194,54.762 1.194,61.671 1.194,62.001 1.6,62.408
V3.3 on Bottom Layer "SOM_V3.3_BottomLeft" (solid, pour order 36): 3.327,62.408 3.327,59.36 16.383,59.36 19.304,62.281 19.558,62.535 21.412,62.535 21.488,62.535 21.971,63.017 22.149,63.195 22.149,63.678 21.717,64.11 18.542,64.11 18.034,64.11 17.551,63.627 17.551,63.094 16.154,61.697 10.516,61.697 9.804,62.408
DGND on Bottom Layer "SOM_DGND_BottomMiddle" (solid, pour order 34): 25.908,58.776 32.817,58.776 33.909,57.683 33.909,53.162 33.858,53.111 29.642,53.111 29.616,53.137 29.616,53.569 27.711,55.474 27.711,56.744 27.153,57.302 26.264,57.302 25.908,57.658
V3.3 on Bottom Layer "SOM_V3.3_BottomMiddle" (solid, pour order 33): 25.908,59.36 25.908,60.604 26.899,61.595 29.083,61.595 29.642,62.154 30.632,63.144 30.632,64.033 31.598,64.999 32.969,64.999 33.934,64.033 33.934,62.128 33.934,59.411 25.984,59.411 25.959,59.385
V3.3 on Bottom Layer "SOM_V3.3_BottomRight" (solid, pour order 30): 52.984,58.268 52.984,60.554 53.873,61.443 54.28,61.849 63.119,61.849 64.516,61.849 67.488,64.821 68.047,65.38 73.203,65.38 73.279,65.38 74.219,64.44 74.346,64.313 74.346,62.154 74.346,61.29 73.965,60.909 69.977,60.909 69.545,60.477 69.545,57.734 69.596,57.683 60.046,57.683 59.461,58.268
V3.3 on Bottom Layer "Bottom Layer-V3.3_FPGA" (solid, pour order 44): 50.978,35.052 53.086,35.052 54.737,36.703 58.115,36.703 58.674,36.144 58.674,34.036 58.242,33.604 58.242,32.995 58.242,31.191 57.861,30.81 56.744,30.81 55.575,29.642 50.19,29.642 48.819,29.642 48.819,30.455 50.47,30.455 51.079,31.064 51.359,31.344 51.359,31.623 54.813,31.623 55.956,31.623 56.49,32.156 56.49,33.706 56.236,33.96 54.813,33.96 53.111,33.96 52.908,34.163 51.003,34.163 50.978,34.188
DGND on Bottom Layer "Bottom Layer-DGND_FPGA" (solid, pour order 45): 56.185,32.36 56.185,32.258 55.931,32.004 52.172,32.004 51.333,32.842 50.851,32.842 50.825,32.868 50.825,33.757 52.756,33.757 53.162,33.35 55.905,33.35 56.185,33.071
V1.2 on Bottom Layer "Bottom Layer-V1.2_FPGA" (solid, pour order 46): 32.055,39.751 32.055,38.811 31.394,38.151 31.394,37.135 31.115,36.855 31.115,33.731 32.283,32.563 33.071,32.563 34.595,34.087 34.595,34.747 33.503,35.839 33.503,39.421 33.172,39.751
V1.2 on Bottom Layer "Bottom Layer-V1.2_FPGA" (solid, pour order 47): 33.426,38.583 34.214,37.795 39.345,37.795 39.345,36.906 39.065,36.627 34.569,36.627 33.985,36.043 33.985,35.331 33.198,35.331 33.096,35.433 32.969,35.56 32.969,38.202
V1.2 on Bottom Layer "Bottom Layer-V1.2_FPGA" (solid, pour order 48): 34.595,34.087 36.195,35.687 39.853,35.687 41.554,33.985 42.723,33.985 43.459,33.985 43.688,33.757 47.117,33.757 47.523,34.163 48.844,35.484 53.442,35.484 53.518,35.484 54.737,36.703 60.401,36.703 61.087,36.703 61.849,37.465 61.824,37.49 61.824,38.354 48.59,38.354 48.108,38.837 48.108,39.751 48.438,40.081 48.438,40.386 48.285,40.538 47.981,40.843 45.669,40.843 44.704,40.843 44.552,40.691 44.552,39.751 44.425,39.624 44.425,37.846 44.298,37.719 44.069,37.719 42.342,39.446 41.91,39.446 40.564,38.1 34.823,38.1 33.172,39.751 32.512,36.703
DGND on Bottom Layer "Bottom Layer-DGND_FPGA" (solid, pour order 49): 33.452,32.487 32.055,32.487 30.556,33.985 30.556,37.084 30.912,37.44 30.912,38.151 30.937,38.176 30.023,38.176 29.794,38.405 27.838,38.405 27.508,38.075 26.568,38.075 26.518,38.024 26.518,33.884 28.651,31.75 33.299,31.75 33.426,31.623 33.452,31.598 34.138,31.598 35.281,31.598 35.611,31.267 35.611,30.124 35.662,30.074 35.992,30.074 36.119,30.201 36.119,30.734 37.033,31.648 37.033,32.512 37.008,32.537 33.528,32.537 33.477,32.487
V2.5 on Bottom Layer "Bottom Layer-V2.5_V2.5Reg" (solid, remove dead copper, pour order 54): 39.192,26.187 40.894,26.187 41.707,25.375 43.358,25.375 48.819,25.375 53.086,25.375 53.391,25.07 56.261,25.07 56.617,25.425 56.617,26.035 54.661,26.035 53.721,26.975 39.218,26.975 39.192,27
AGND on Bottom Layer "Bottom AGND" (solid, pour order 58): 128.829,51.257 128.829,48.235 129.819,47.244 132.232,47.244 132.69,47.701 133.045,48.057 133.045,49.276 132.283,50.038 132.283,51.206 132.283,51.41 131.902,51.791 131.75,51.943 129.54,51.943 129.21,51.943 128.829,51.562
V5.0 on Bottom Layer "Top Layer-V5.0" (solid, pour order 67): 105.156,63.017 105.156,62.23 104.724,61.798 88.621,61.798 85.827,64.592 85.827,68.097 88.417,70.688 88.671,70.942 88.671,72.542 88.671,74.752 87.732,75.692 87.401,76.022 87.401,76.276 87.782,76.657 89.916,76.657 91.135,75.438 91.135,71.984 91.135,70.561 88.697,68.123 88.519,67.945 88.519,65.202 89.84,63.881 103.937,63.881 104.597,63.881 105.156,63.322
SHIELD on Bottom Layer "Top Layer-ShieldUSB" (solid, pour order 69): 77.216,76.022 75.286,76.022 74.676,76.632 74.295,77.013 74.295,86.944 78.105,90.754 78.105,96 91.77,96 91.77,78.689 91.059,77.978 89.052,77.978 87.859,79.172 87.859,84.074 86.614,85.319 86.614,92.126 85.75,92.989 80.747,92.989 79.959,92.202 79.959,85.446 78.765,84.252 78.765,79.019 77.495,77.749 77.495,76.276 77.241,76.022
SHIELD_ETH on Bottom Layer "Top Layer-ShieldETH" (solid, pour order 71): 93.32,70.942 93.32,77.826 92.634,78.511 92.634,96 111.15,96 111.15,84.455 112.217,83.388 112.217,79.705 110.947,78.435 109.652,78.435 109.042,79.045 109.042,80.137 108.077,81.102 107.848,81.331 99.212,81.331 98.476,81.331 97.46,80.315 97.46,77.648 98.349,76.759 98.349,75.565 94.488,71.704 94.488,70.942
V3.3 on Bottom Layer "Top Layer-V3.3" (solid, pour order 73): 52.781,38.811 53.594,38.811 53.848,38.557 54.712,38.557 55.778,39.624 55.778,40.894 54.051,42.621 54.051,44.653 53.111,45.593 50.851,45.593 50.038,44.78 50.038,44.069 50.521,43.586 50.521,42.647 50.521,42.215 51.435,41.3 53.035,41.3 53.416,40.919 53.416,40.31 52.807,39.7
V5.0 on Top Layer "V5.0" (solid, pour order 41): 102.337,62.23 102.337,63.398 103.022,64.084 104.623,64.084 105.385,63.322 105.385,55.55 110.338,50.597 110.439,50.495 118.288,50.495 122.758,54.966 128.854,54.966 143.383,54.966 143.942,54.407 145.263,54.407 145.694,53.975 145.694,53.34 145.263,52.908 144.069,52.908 143.662,52.502 137.795,52.502 137.185,53.111 133.071,53.111 132.664,52.705 132.309,53.061 124.181,53.061 118.999,47.879 108.102,47.879 102.337,53.645 102.337,61.849
V1.2 on Top Layer "UregV1.2_Top" (solid, remove dead copper, pour order 43): 24.638,11.608 20.472,11.608 19.787,12.294 19.787,18.237 19.787,25.857 20.498,26.568 30.074,36.144 33.376,36.144 34.442,35.077 34.442,33.757 32.956,32.271 32.398,32.271 31.318,31.191 22.479,22.352 22.479,16.18 22.479,15.57 22.962,15.088 24.206,15.088 24.638,14.656
DGND on Top Layer "SOM_DGND_TopRight" (solid, remove dead copper, pour order 42): 68.047,52.476 68.047,54.458 68.072,54.483 74.955,54.483 75.54,53.899 75.54,52.121 74.828,51.41 74.701,51.283 69.952,51.283 68.605,51.283 68.047,51.841
DGND on Top Layer "SOM_V3.3_TopRight" (solid, pour order 32): 28.575,55.397 28.067,55.905 28.067,56.82 28.499,57.252 32.842,57.252 34.163,55.931 34.163,54.483 33.858,54.483 33.858,55.016 33.477,55.397
V3.3 on Top Layer "SOM_V3.3_TopRight" (solid, remove dead copper, pour order 31): 68.351,60.935 68.351,64.719 68.986,65.354 69.037,65.405 72.39,65.405 73.05,65.405 73.533,65.888 73.533,68.326 74.244,69.037 74.346,69.139 75.997,69.139 75.997,68.199 75.946,68.148 74.447,68.148 74.168,67.869 74.066,67.767 74.066,64.795 74.066,64.491 71.958,62.382 70.51,60.935 68.453,60.935
V3.3 on Top Layer "Bottom Layer-V3.3_V2.5Reg" (solid, pour order 50): 31.445,18.542 32.537,19.634 34.011,19.634 35.204,18.44 35.204,16.612 34.519,15.926 33.655,15.926 32.69,15.926 31.242,14.478 31.242,11.811 30.988,11.557 28.905,11.557 28.854,11.608 28.854,17.755 29.642,18.542
DGND on Top Layer "Bottom Layer-DGND_V2.5Reg" (solid, remove dead copper, pour order 51): 19.177,16.84 19.177,15.773 18.339,14.935 18.339,11.684 19.736,10.287 31.09,10.287 31.826,11.024 32.207,11.405 32.207,14.402 32.207,14.986 32.563,15.342 36.688,15.342 37.089,14.94 37.089,0.005 37.084,0 12.395,0 12.395,13.411 15.824,16.84
DGND on Top Layer "Bottom Layer-DGND_V2.5Reg" (solid, remove dead copper, pour order 52): 26.314,11.608 26.314,14.63 25.832,15.113 25.832,21.057 26.975,22.2 31.267,22.2 32.207,21.26 32.207,20.269 31.242,19.304 29.261,19.304 28.473,18.517 28.473,16.739 27.61,16.739 27.584,16.764 27.546,14.973 27.203,14.63 27.203,11.608
V2.5 on Top Layer "Bottom Layer-V2.5_V2.5Reg" (solid, remove dead copper, pour order 53): 44.577,11.582 40.843,11.582 40.208,12.217 40.056,12.37 40.056,16.332 40.056,21.946 42.697,24.536 42.697,26.568 43.485,27.356 45.237,27.356 45.593,27 45.898,26.695 45.898,26.187 44.806,25.095 44.552,24.841 43.739,24.028 42.189,22.479 42.189,18.644 42.189,16.408 42.443,16.154 42.799,15.799 43.231,15.799 44.069,15.799 44.577,15.291
V3.3 on Top Layer "Bottom Layer-V3.3_V2.5Reg" (solid, remove dead copper, pour order 55): 48.768,11.608 48.768,15.392 49.073,15.697 49.073,21.158 50.775,22.86 53.061,22.86 53.594,22.327 53.594,20.371 53.213,19.99 51.867,19.99 51.435,19.558 51.435,17.704 50.648,16.916 50.648,15.723 50.902,15.469 50.902,11.633 50.927,11.608
DGND on Top Layer "Bottom Layer-DGND_V2.5Reg" (solid, pour order 56): 46.203,11.582 46.203,14.656 46.203,16.662 45.796,17.069 45.796,20.218 46.482,20.904 46.482,21.92 47.549,22.987 48.362,22.987 48.87,22.479 48.87,21.844 48.336,21.311 48.336,17.348 47.574,17.348 47.117,16.891 47.117,14.656 47.092,14.63 47.092,11.582
DGND on Top Layer "Bottom Layer-DGND_V2.5Reg" (solid, pour order 57): 35.662,0 35.662,9.296 34.671,10.287 34.671,15.164 37.186,17.678 37.49,17.983 38.71,17.983 39.218,17.983 39.522,17.678 39.522,16.18 38.811,15.469 38.811,12.421 40.538,10.693 50.749,10.693 51.283,11.227 51.283,16.764 52.375,17.856 52.375,19.456 52.451,19.533 54.635,19.533 55.245,18.923 56.337,17.831 56.337,0
V5.0 on Top Layer "Top Layer-V5.0" (solid, remove dead copper, pour order 61): 86.309,68.504 87.249,68.504 88.011,67.742 88.163,67.589 88.163,66.319 87.732,65.888 86.843,65.888 86.716,65.888 86.309,66.294
DGND on Top Layer "Top Layer-DGND" (solid, pour order 63): 82.677,69.494 85.395,69.494 85.395,66.421 84.861,65.888 83.312,65.888 82.677,66.523
VOUT2_USB on Top Layer "Top Layer-VOUT2_USB" (solid, pour order 65): 82.677,70.714 82.093,70.714 80.721,72.085 80.721,72.949 81.305,73.533 84.15,73.533 85.369,72.314 87.02,72.314 87.351,71.984 87.351,70.841 87.224,70.714
AGND on Mid-Layer 1 "Mid-Layer 1-AGND" (solid, remove dead copper, pour order 35): 129.21,49.86 132.563,49.86 134.214,48.209 136.779,45.644 165,45.644 165,14.529 155.473,14.529 149.377,20.625 148.666,21.336 108.382,21.336 101.625,28.092 101.625,41.681 107.391,47.447 123.444,47.447 126.695,47.447 129.134,49.886
DGND on Mid-Layer 1 "Top Layer-DGND" (solid, remove dead copper, pour order 77): 126.213,96 126.213,83.845 128.143,81.915 128.143,77.038 132.105,73.076 134.061,71.12 134.061,54.305 134.061,53.543 131.928,51.41 131.369,50.851 128.727,50.851 126.136,48.26 107.01,48.26 100.813,42.062 100.813,27.737 107.899,20.65 122.098,20.65 148.412,20.65 151.714,17.348 156.642,12.421 156.642,0 0,0 0,96
CAN_GND on Mid-Layer 1 "Top Layer-CAN_GND" (solid, pour order 81): 165,46.507 139.04,46.507 136.474,49.073 136.474,58.903 138.354,60.782 165,60.782
V3.3 on Mid-Layer 2 "Top Layer-V3.3" (solid, remove dead copper, pour order 79): 126.213,96 126.213,84.023 128.321,81.915 128.321,77.114 132.055,73.381 141.199,73.381 144.094,70.485 144.526,70.053 144.526,65.837 139.37,60.681 139.37,54.127 140.97,52.527 144.018,52.527 144.958,52.527 145.999,51.486 145.999,50.673 145.059,49.733 127.533,49.733 125.578,47.777 106.375,47.777 100.711,42.113 100.711,27.838 108.052,20.498 148.438,20.498 156.642,12.294 156.642,0 0,0 0,96

## Keep-outs
Keep-Out Layer:
  the board outline again, w0.254

## Other copper
Top Layer:
  text "PATHOS ControllerBoard" at 10.363,93.041 h2.54
  text "CAN_1" at 141.376,90.805 h1.02 r90
  text "v2.0 2016-03" at 10.363,90.679 h2.54
  text "CAN_2" at 126.594,90.475 h1.02 r90
  text "UART_B" at 111.938,89.332 h1.02 r90
  text "GND" at 0.635,48.336 h2
  text "Console" at 7.01,42.85 h2
  text "RESET" at 2.007,35.408 h2 r90
  text "RECOV." at 2.007,27.432 h2 r90
  text "ANALOG OUT" at 153.568,21.133 h2 r90
  text "EN / RDY" at 106.147,14.656 h2
  text "JTAG FPGA" at 2.007,10.846 h2 r90
  text "IO" at 70.002,10.693 h2
  text "ENC" at 126.213,10.617 h2
  text "PWM" at 92.837,10.49 h2

## Silkscreen, mask and mechanical layers (free items; w line width, h text height)
Top Overlay:
  text "Top: USB1" at 72.72,86.868 h1.02 r90
  text "Bottom: USB2" at 74.473,83.718 h1.02 r90
Mechanical 1:
  the board outline again, w0